# Altium PCB PCB.PcbDoc
Units mil, origin at the board's own origin, x right, y up, seen from the top; angles counter-clockwise.
Board outline 2110 x 2700 mil, 2 copper layers (Top Layer, Bottom Layer); 67 components, 61 nets, 335 pads, 240 vias.
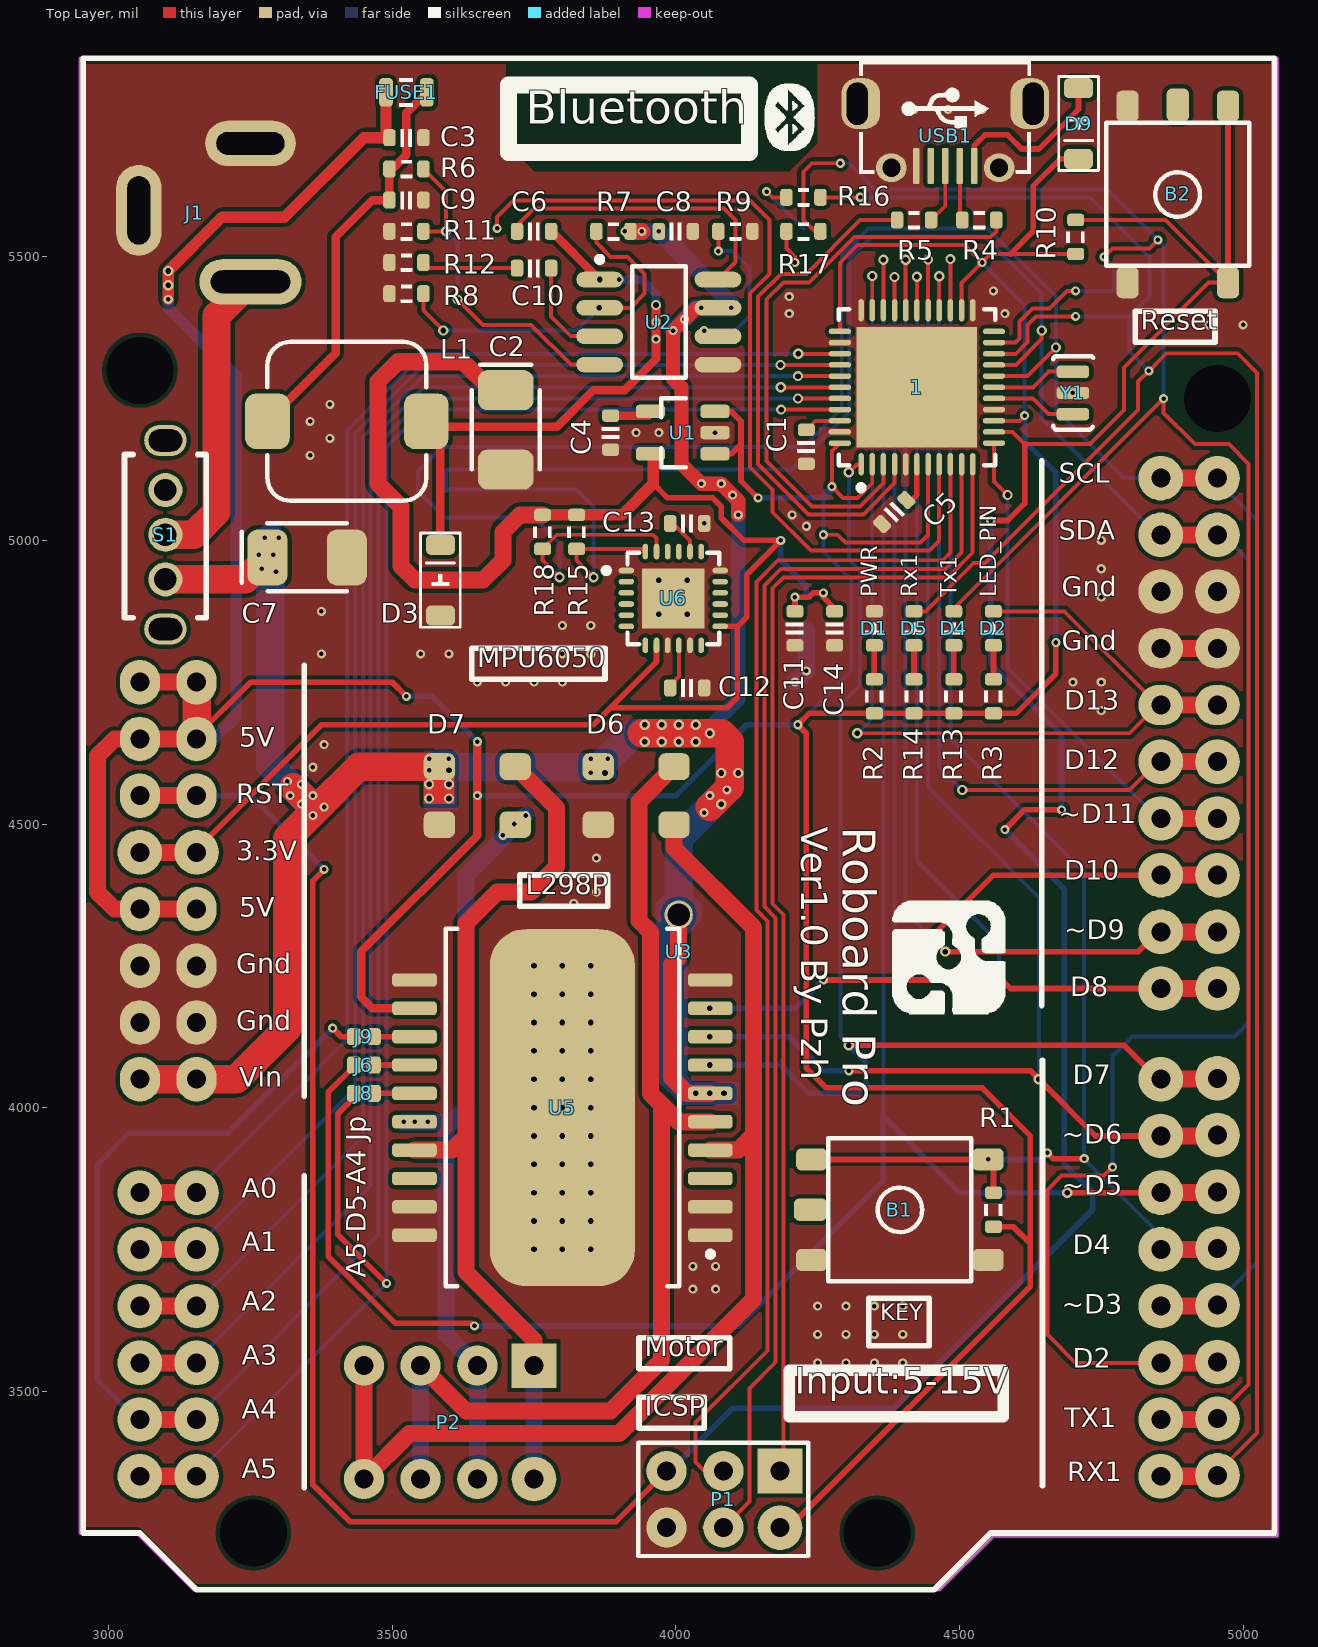
[diagram p0: Top Layer view]
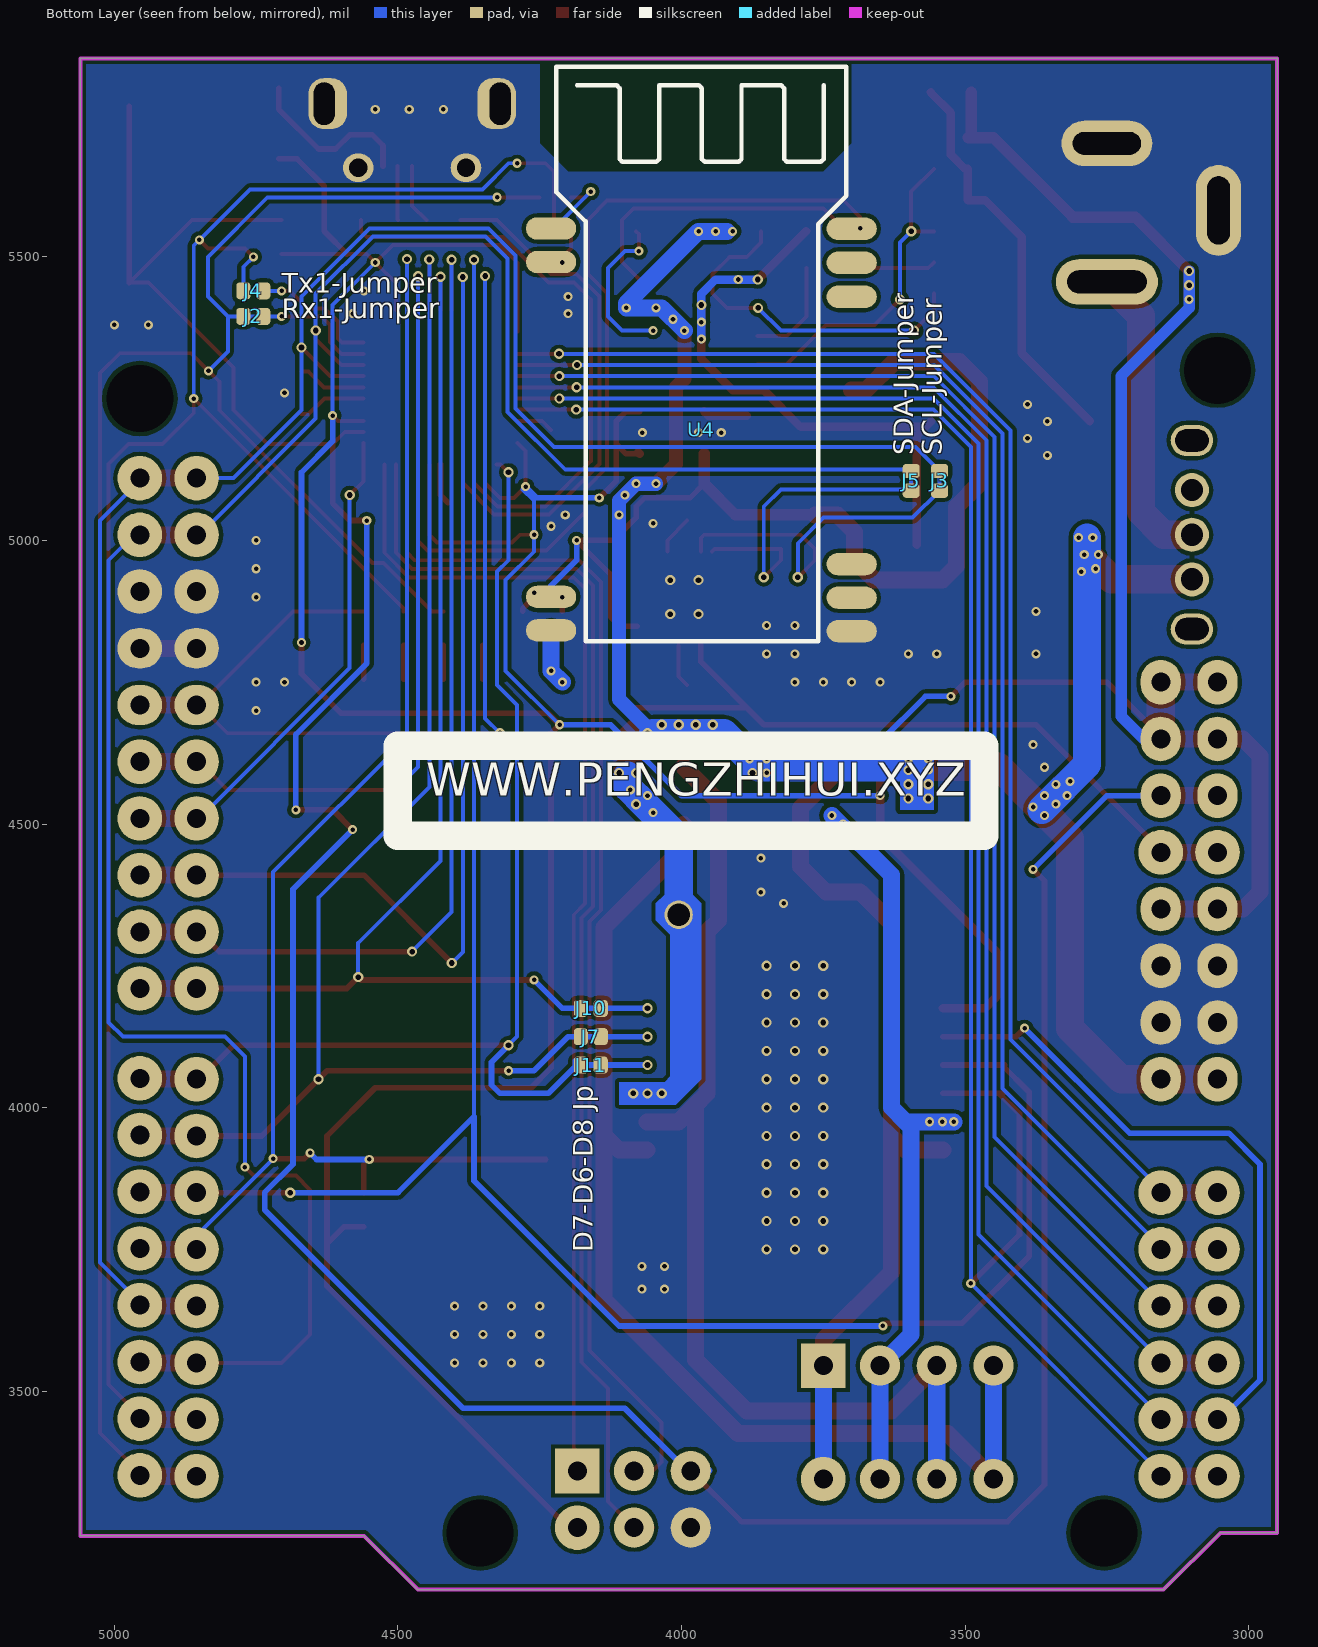
[diagram p1: Bottom Layer view, seen from below]

## Layer stack, top to bottom
Top Solder: solder mask 0.4, Solder Resist, Dk 3.5
Top Layer: signal copper 1.4
Dielectric 1: dielectric 12.6, FR-4, Dk 4.8
Bottom Layer: signal copper 1.4
Bottom Solder: solder mask 0.4, Solder Resist, Dk 3.5

## Board outline
2950,3250 3050,3250 3150,3150 4465,3150 4560,3245 5060,3245 5060,5850 2950,5850

## Design rules (kind name [scope] priority, off if disabled: settings)
Clearance [All] p1: gap=7
ComponentClearance [All] p1: gap=0 collisioncheckmode=3 verticalgap=0 showdistances=FALSE
HoleSize [All] p1: absolutevalues=TRUE maxlimit=10000 minlimit=1 maxpercent=80.000 minpercent=20.000
MinimumSolderMaskSliver [All] p1: minsoldermaskwidth=1
PolygonConnect [All] p1: connectstyle=Direct reliefconductorwidth=10 reliefentries=4 polygonreliefangle="90 Angle" airgapwidth=10
RoutingVias [All] p1: holewidth=28 width=50 viastyle="Through Hole" minholewidth=28 minwidth=50 maxholewidth=28 maxwidth=50
SilkToSilkClearance [All] p1: silktosilkclearance=0
SilkToSolderMaskClearance [IsPad] p1: minsilkscreentomaskgap=0 clearancetoexposedcopper=TRUE
SolderMaskExpansion [All] p1: expansion=4
UnpouredPolygon [All] p1: allowunpoured=FALSE
Width [All] p1: maxlimit=10000 minlimit=7 preferedwidth=10
24 further rules are at their usual default settings.

## Components (designator, comment, footprint, x,y, rotation, side; value= is the part's Value field where it differs from the comment)
1 "ATmega32U4" QFN-44 4425,5270 r90 top
B1 "BUTTON" BUTTON 4395,3820 r180 top
B2 "BUTTON" BUTTON 4885,5610 r90 top
C1 "0.1uF" 0603-CAP 4230,5165 r270 top
C2 "电容 3528" 3528-CAP 3700,5195 r270 top
C3 "10uF" 0603-CAP 3525,5710 r180 top
C4 "10nF" 0603-CAP 3885,5190 r90 top
C5 "0.1uF" 0603-CAP 4385,5050 r45 top
C6 "电容-0603" 0603-CAP 3750,5545 r0 top
C7 "电容 3528" 3528-CAP 3350,4970 r0 top
C8 "电容-0603" 0603-CAP 4000,5545 r180 top
C9 "电容-0603" 0603-CAP 3525,5600 r0 top
C10 "电容-0603" 0603-CAP 3750,5480 r0 top
C11 "0.01uF" 0603-CAP 4210,4845 r90 top
C12 "0.1uF" 0603-CAP 4020,4740 r180 top
C13 "2.2nF" 0603-CAP 4020,5030 r0 top
C14 "0.1uF" 0603-CAP 4280,4845 r90 top
D1 "LED-0603" 0603-LED-BLUE 4350,4845 r90 top
D2 "LED-0603" 0603-LED-BLUE 4560,4845 r90 top
D3 "二极管-5819W" SOD-123 3585,4930 r90 top
D4 "LED-0603" 0603-LED-BLUE 4490,4845 r90 top
D5 "LED-0603" 0603-LED-BLUE 4420,4845 r90 top
D6 "LX10M" LX10M 3930,4550 r0 top
D7 "LX10M" LX10M 3650,4550 r0 top
D9 "二极管-5819W" SOD-123 4710,5735 r270 top
FUSE1 "Res_0805" RES_0805 3525,5790 r0 top
J1 "PowerJack_2.5" KLD_0202 3250,5995.28 r270 top
J2 "JUMPER" JUMPER 4755,5395 r0 bottom
J3 "JUMPER" JUMPER 3545,5105 r90 bottom
J4 "JUMPER" JUMPER 4755,5440 r180 bottom
J5 "JUMPER" JUMPER 3595,5105 r90 bottom
J6 "JUMPER" JUMPER 3450,4075 r0 top
J7 "JUMPER" JUMPER 4160,4125 r180 bottom
J8 "JUMPER" JUMPER 3450,4025 r0 top
J9 "JUMPER" JUMPER 3450,4125 r0 top
J10 "JUMPER" JUMPER 4160,4175 r180 bottom
J11 "JUMPER" JUMPER 4160,4075 r180 bottom
L1 "10uH" L-SMD-7 3420,5210 r180 top
P1 "HDR2x3" HDR2X3 4085,3310 r180 top
P2 "HDR1*4_SPRING" HDR_SPRING 3650,3445 r180 top
R1 "4.7K" 0603-RES 4560,3820 r270 top
R2 "500R" 0603-RES 4350,4725 r90 top
R3 "500R" 0603-RES 4560,4725 r90 top
R4 "22R" 0603-RES 4535,5565 r0 top
R5 "22R" 0603-RES 4420,5565 r180 top
R6 "100K" 0603-RES 3525,5655 r0 top
R7 "100K" 0603-RES 3890,5545 r0 top
R8 "100K" 0603-RES 3525,5435 r0 top
R9 "100K" 0603-RES 4105,5545 r180 top
R10 "4.7K" 0603-RES 4705,5535 r270 top
R11 "100K" 0603-RES 3525,5545 r0 top
R12 "100K" 0603-RES 3525,5490 r0 top
R13 "500R" 0603-RES 4490,4725 r90 top
R14 "500R" 0603-RES 4420,4725 r90 top
R15 "10K" 0603-RES 3825,5015 r90 top
R16 "500R" 0603-RES 4225,5605 r180 top
R17 "500R" 0603-RES 4225,5545 r180 top
R18 "10K" 0603-RES 3765,5015 r90 top
S1 "SwitchSPDT_4.3x8.6_D90" SwitchSPDT_4.3X8.6_D90 3100,5088.74 r270 top
U1 "LP2992" SOT23-5 4010,5190 r180 top
U2 "MP1584" SO-8 3970,5385 r0 top
U3 "Arduino Roboard" "Arduino UNO-2" 2955,5850 r0 top
U4 "HC-06" 蓝牙模块HC-06 4220,4774.57 r180 bottom
U5 "L298P" POWERSO20 3800,4000 r90 top
U6 "MPU6050" QFN-24 3995.47,4897.68 r0 top
USB1 "USB-Micro" USB_Micro-AB 4475,5760 r0 top
Y1 "16MHz" 晶振-3P 4700,5260 r270 top

## Footprints (in the part's own frame and the unit in brackets; to place one, negate y for a bottom-side part, rotate by r counter-clockwise, add the part's x,y. Pads: shape width x height; smd on the part's side, far side on the other; paste and mask are expansions set on the pad)
0603-CAP [mil]
  rrect50% 22x30 smd: 1(-30,0) 2(30,0)
  silkscreen extent -10,-15 10,15, body extent -31,-16 32,16, height 31
0603-LED-BLUE [mil]
  rrect50% 22x30 smd: 1(-30,0) 2(30,0)
  silkscreen extent -10,-16 10,16, body extent -32,-16 32,16, height 24
0603-RES [mil]
  rrect50% 22x30 smd: 1(-30,0) 2(30,0)
  silkscreen extent -10,-16 10,16, body extent -31,-16 31,16, height 18
3528-CAP [mm] "钽电容"
  rrect50% 1.8x2.5 smd: 1(-1.778,0) 2(1.778,0)
  silkscreen extent -2.92,-1.52 1.78,1.52, body extent -1.91,-1.4 1.91,1.4, height 1.1
"Arduino UNO-2" [mm]
  round 0 hole 3: 0(2.54,-13.97) 0(7.62,-66.04) 0(35.56,-66.04) 0(50.8,-15.24)
  oval 1.8x2 hole 0.85: 1(2.54,-27.94) 1(5.08,-27.94) 2(2.54,-30.48) 2(5.08,-30.48) 3(2.54,-33.02) 3(5.08,-33.02) 5(2.54,-38.1) 5(5.08,-38.1) 6(2.54,-40.64) 6(5.08,-40.64) 7(2.54,-43.18) 7(5.08,-43.18) 8(2.54,-45.72) 8(5.08,-45.72)
  round 2 hole 0.85: 4(2.54,-35.56) 4(5.08,-35.56) 9(2.54,-50.8) 9(5.08,-50.8) 10(2.54,-53.34) 10(5.08,-53.34) 11(2.54,-55.88) 11(5.08,-55.88) 12(2.54,-58.42) 12(5.08,-58.42) 13(2.54,-60.96) 13(5.08,-60.96) 14(2.54,-63.5) 14(5.08,-63.5) 15(48.26,-63.5) 15(50.8,-63.46) 16(48.26,-60.96) 16(50.8,-60.92) 17(48.26,-58.42) 17(50.8,-58.38) 18(48.26,-55.88) 18(50.8,-55.84) 19(48.26,-53.34) 19(50.8,-53.3) 20(48.26,-50.8) 20(50.8,-50.76) 21(48.26,-48.26) 21(50.8,-48.22) 22(48.26,-45.72) 22(50.8,-45.68) 23(48.26,-41.66) 23(50.8,-41.66) 24(48.26,-39.12) 24(50.8,-39.12) 25(48.26,-36.58) 25(50.8,-36.58) 26(48.26,-34.04) 26(50.8,-34.04) 27(48.26,-31.5) 27(50.8,-31.5) 30(48.26,-23.88) 30(50.8,-23.88) 31(48.26,-21.34) 31(50.8,-21.34) 32(48.26,-18.8) 32(50.8,-18.8)
  oval 2x1.8 hole 0.85: 28(48.26,-28.96) 28(50.8,-28.96) 29(48.26,-26.42) 29(50.8,-26.42)
  silkscreen extent 0,-68.58 53.34,0
BUTTON [mm]
  rrect50% 1.5x1 smd: 0(4,0)
  rrect50% 1.4x1 smd: 1(-3.95,2.25) 1(3.95,2.25) 2(-3.95,-2.25) 2(3.95,-2.25)
  silkscreen extent -3.2,-3.2 3.2,3.2, body extent -2.6,-2.6 2.6,2.6, height 2.5
HDR2X3 [mm] "Connector; Header; 3x2 Position"
  rect 2x2 hole 0.85: 1(-2.508,-1.254)
  round 2 hole 0.85: 2(-2.508,1.286)
  round 1.8 hole 0.85: 3(0.032,-1.254) 4(0.032,1.286) 5(2.572,-1.254) 6(2.572,1.286)
  silkscreen extent -3.78,-2.52 3.84,2.56, body extent -3.78,-2.52 3.84,2.56, height 8.54
HDR_SPRING [mm]
  round 2 hole 0.85: 1(-2.54,2.54)
  rect 2x2 hole 0.85: 1(-2.54,-2.54)
  round 1.8 hole 0.85: 2(0,2.54) 2(0,-2.54) 3(2.54,2.54) 3(2.54,-2.54) 4(5.08,-2.54) 4(5.08,2.54)
  body extent -6.18,-4.82 6.52,8.99, height 12.08
JUMPER [mil]
  rrect50% 25x30 smd: 1(-17.5,0) 2(17.5,0)
KLD_0202 [mil]
  oval 80x180 hole 40 slot 140 at 90 deg: 1(539.37,0)
  oval 80x160 hole 40 slot 120 at 90 deg: 2(295.28,0)
  oval 160x80 hole 40 slot 120 at 0 deg: 3(413.39,-196.85)
  body extent -9,-213 562,173, height 433
L-SMD-7 [mm] "贴片电感7*7"
  rrect50% 2x2.5 smd: 1(-3.556,0) 2(3.556,0)
  silkscreen extent -3.56,-3.56 3.56,3.56, body extent -3.68,-3.65 3.68,3.65, height 2.83
LX10M [mm]
  rrect50% 1.4x1.2 smd: 1(-1.7,1.3) 2(-1.7,-1.3) 3(1.7,-1.3) 4(1.7,1.3)
  body extent -2,-1.75 2,1.75, height 1
POWERSO20 [mm] "Small Outline; 20 Leads; Body Width 11 mm; Pitch 1.27 mm"
  rrect50% 0.6x2 smd: 1(-5.715,-6.625) 2(-4.445,-6.625) 3(-3.175,-6.625) 4(-1.905,-6.625) 5(-0.635,-6.625) 6(0.635,-6.625) 7(1.905,-6.625) 8(3.175,-6.625) 9(4.445,-6.625) 10(5.715,-6.625) 11(5.715,6.625) 12(4.445,6.625) 13(3.175,6.625) 14(1.905,6.625) 15(0.635,6.625) 16(-0.635,6.625) 17(-1.905,6.625) 18(-3.175,6.625) 19(-4.445,6.625) 20(-5.715,6.625)
  rrect50% 16x6.5 smd: 21(0,0)
  silkscreen extent -8,-6.75 8,5.22, body extent -8.02,-6.64 7.98,6.64, height 3.5
QFN-24 [mm] "QFN, 24-Leads, Body 4.1x4.1mm (max), Pitch 0.50mm, IPC Low Density"
  oval 0.7x0.25 smd: 1(-2.1,1.25) 2(-2.1,0.75) 3(-2.1,0.25) 4(-2.1,-0.25) 5(-2.1,-0.75) 6(-2.1,-1.25) 13(2.1,-1.25) 14(2.1,-0.75) 15(2.1,-0.25) 16(2.1,0.25) 17(2.1,0.75) 18(2.1,1.25)
  oval 0.25x0.7 smd: 7(-1.25,-2.1) 8(-0.75,-2.1) 9(-0.25,-2.1) 10(0.25,-2.1) 11(0.75,-2.1) 12(1.25,-2.1) 19(1.25,2.1) 20(0.75,2.1) 21(0.25,2.1) 22(-0.25,2.1) 23(-0.75,2.1) 24(-1.25,2.1)
  rect 2.8x2.7 smd: ""(0,0)
  silkscreen extent -3.12,-2.05 2.05,2.05, body extent -2.02,-2.02 2.02,2.02, height 0.95
QFN-44 [mm] "QFN, 44-Leads, Body 7.0x7.0mm (max), Pitch 0.50mm, IPC Low Density"
  oval 1x0.25 smd: 1(-3.45,2.5) 2(-3.45,2) 3(-3.45,1.5) 4(-3.45,1) 5(-3.45,0.5) 6(-3.45,0) 7(-3.45,-0.5) 8(-3.45,-1) 9(-3.45,-1.5) 10(-3.45,-2) 11(-3.45,-2.5) 23(3.45,-2.5) 24(3.45,-2) 25(3.45,-1.5) 26(3.45,-1) 27(3.45,-0.5) 28(3.45,0) 29(3.45,0.5) 30(3.45,1) 31(3.45,1.5) 32(3.45,2) 33(3.45,2.5)
  oval 0.25x1 smd: 12(-2.5,-3.45) 13(-2,-3.45) 14(-1.5,-3.45) 15(-1,-3.45) 16(-0.5,-3.45) 17(0,-3.45) 18(0.5,-3.45) 19(1,-3.45) 20(1.5,-3.45) 21(2,-3.45) 22(2.5,-3.45) 34(2.5,3.45) 35(2,3.45) 36(1.5,3.45) 37(1,3.45) 38(0.5,3.45) 39(0,3.45) 40(-0.5,3.45) 41(-1,3.45) 42(-1.5,3.45) 43(-2,3.45) 44(-2.5,3.45)
  rect 5.4x5.4 smd paste+0: ""(0,0)
  silkscreen extent -4.62,-3.5 3.5,3.5, body extent -4,-4 4,4, height 0.9
RES_0805 [mil]
  rrect50% 24x50 smd: 1(-36,0) 2(36,0)
  silkscreen extent -12,-24 12,24, body extent -39,-25 39,25, height 24
SO-8 [mm]
  oval 2.1x0.7 smd: 1(-2.65,1.905) 2(-2.65,0.635) 3(-2.65,-0.635) 4(-2.65,-1.905) 5(2.65,-1.905) 6(2.65,-0.635) 7(2.65,0.635) 8(2.65,1.905)
  silkscreen extent -2.77,-2.5 1.2,2.93, body extent -3,-2.43 2.99,2.47, height 1.6
SOD-123 [mm]
  rrect50% 0.9x1.3 smd: 1(-1.583,0) 2(1.583,0)
  silkscreen extent -2.11,-0.89 2.11,0.89, body extent -1.92,-0.86 1.93,0.84, height 1.48
SOT23-5 [mm] "SOT23, 3-Leads, Body 3.1x3.0mm (max), Pitch 0.95mm, IPC Medium Density"
  rrect50% 1.3x0.6 smd: 1(-1.5,0.95) 2(-1.5,0) 3(-1.5,-0.95) 4(1.396,-0.95) 5(1.396,0.95)
  silkscreen extent -0.2,-1.55 0.9,1.55, body extent -1.48,-1.45 1.32,1.45, height 1.2
SwitchSPDT_4.3X8.6_D90 [mil]
  oval 55x75 hole 39.37 slot 59.06 at 90 deg: 0(-87.68,0) 0(245.16,0)
  round 60 hole 39.37: 1(0,0) 2(78.74,0) 3(157.48,0)
  silkscreen extent -63,-72 225,72, body extent -91,-246 248,84, height 190
USB_Micro-AB [mil]
  rrect80% 68x90 hole 37 slot 75 at 90 deg copper offset 6,0 mask+0: 0(-155,10)
  oval 54x50 hole 32 mask+0: 0(-95,-103) 0(95,-103)
  rrect80% 68x90 hole 37 slot 75 at 90 deg copper offset -6,0 mask+0: 0(155,10)
  rrect50% 12x64 smd: 1(51.18,-100) 2(25.59,-100) 3(0,-100) 4(-25.59,-100) 5(-51.18,-100)
  silkscreen extent -150,-113 150,86, body extent -161,-109 161,104, height 108
晶振-3P [mm] "贴片晶振"
  rrect50% 0.55x1.45 smd: 1(-0.95,0) 2(0,0) 3(0.95,0)
  silkscreen extent -1.65,-0.89 1.65,0.91, body extent -1.75,-0.75 1.75,0.75, height 0.3
蓝牙模块HC-06 [mil]
  oval 88.74x39.37 smd: 1(-10,775.43) 2(-10,716.38) 12(-10,125.83) 13(-10,66.77) 22(520,65.43) 23(520,124.49) 24(520,183.54) 32(520,655.04) 33(520,715) 34(520,775)
  silkscreen extent -1,48 511,1061, body extent -1,19 511,1081, height 163

## Part data
1: "MCU"
C1 C3 C4 C5 C11 C12 C13 C14: library part 电容-0603, "Capacitor"
C2 C7: "极性电解电容"
C6 C8 C9 C10: "Capacitor"
D1 D2 D4 D5: "LED"
D3 D9: "40V"
FUSE1: "Resistor"
J1: "DC Power Jack"
L1: library part 电感-0805, "磁珠"
R1 R2 R3 R4 R5 R6 R7 R8 R9 R10 R11 R12 R13 R14 R15 R16 R17 R18: library part 电阻-0603, "Resistor"
S1: "Switch"
U1: "LDO"
U2: "电源芯片"
U4: library part HM01_02_09_1, "HM bluetooth module HM-01,HM-02,HM-09"
U5: "Dual Full Bridge Driver"
U6: "六轴传感器"
USB1: "USB"
Y1: library part 晶振-3Pin, "村田贴片"

## Free pads (board coordinates)
  round 50 hole 40: 2(4005,4340)

## Via types
v1: diameter 16, hole 8, Top Layer to Bottom Layer, tented both sides, 143 vias
v2: diameter 18, hole 10, Top Layer to Bottom Layer, tented both sides, 97 vias

## Nets (pads, with @x,y where several pads share a name; then routed paths per layer and width w, separated by ;. In a path a pad name is that pad's centre, name@x,y a point inside that pad or via, vN(x,y) a via of type N, cw(c..) or ccw(c..) an arc to the next point about the centre after c; other vN are vias at no path point)
3V3: C2.1 C11.2 C14.2 R15.2 R18.2 U1.5 U3.4 U4.12 U6.8 U6.13 | length 3421.2
  Top Layer w10: U3.4@3150,4450 3375,4675 3855,4675 ; 3960.06,5100.06 3985.11,5075 4065,5075 4080,5060 4080,5040 4120,5000 v1(4185,5000) 4125,4940 4125,4865 4108.46,4848.46 ; U6.8 3965.94,4785.94 3855,4675 ; U6.13 4108.46,4848.46 ; C11.2 v1(4210,4900) 4235,4900 4242.65,4907.65 v1(4260,4907.65) 4260,4900 4280,4880 C14.2 ; 3855,4675 3885,4705 4090,4705 4108.46,4723.46 4108.46,4848.46
  Top Layer w20: R18.2 R15.2 3905,5045 3960.06,5100.06 U1.5@3960.06,5152.6
  Top Layer w30: U3.4@3050,4450 U3.4@3150,4450 ; C2.1 3675,5265 3625,5315 3510,5315 3475,5280 3475,5100 3515,5060 3515,4955 3540,4930 3660,4930 3695,4965 3695,5015 3725,5045 R18.2
  Bottom Layer w10: v1(4185,5000) 4185,4965 4230,4920 U4.12
5V: 1.2 1.7 1.14 1.24 1.34 1.44 C3.2 D9.2 FUSE1.1 P1.2 R1.2 R2.1 R3.1 R10.2 R13.1 R14.1 U1.1 U1.3 U3.1 U3.2 U3.5 U5.12 | length 9864.7
  Top Layer w7: v1(4260,5010) 4285,5010 4299,4996 4431,4996 4444.69,5009.69 1.7 ; 1.44 4275,5157.4 v1(4275,5095) 4295,5075 4320,5075 4346.26,5101.26 1.2 ; 1.34 4289.17,5489.58 4320.6,5521 4509,5521 v1(4540,5490) ; 1.24 4503.74,5453.74 v1(4540,5490) ; 1.14 4605.94,5210.94 v1(4615,5220) ; R10.2 4590,5505 4555,5505 v1(4540,5490)
  Top Layer w10: U3.2@3155,4650 3155,4655 3250,4750 3500,4750 v1(3525,4725) ; U1.1@4074.06,5152.6 4097.6,5152.6 4115,5170 ; U1.3@4074.06,5227.4 4097.6,5227.4 4115,5210 4115,5170 ; v1(4145,5075) 4115,5105 4115,5170 ; P1.2@4150,3260 4200,3260 4625,3685 4625,3760 ; R1.2 4595,3790 4625,3760 ; 4590,5505 4630,5545 4630,5625 4677.66,5672.66 D9.2 ; v1(4670,4820) 4670,4765 4600,4695 R3.1 R13.1 R14.1 R2.1 4235,4695 v1(4215,4675) 4230,4660 4230,4070 4265,4035 4540,4035 4625,3950 4625,3760
  Top Layer w15: U5.12 3465,4175 3445,4195 3445,4275 3650,4480 v1(3650,4645) ; U1.1@4074.06,5152.6 U1.1@4076.46,5155
  Top Layer w20: v1(3105,5425) v2(3105,5475) 3200,5570 3310,5570 3450,5710 C3.2 ; C3.2@3489,5716 FUSE1.1
  Top Layer w30: U3.1@3055,4750 U3.1@3155,4750 ; U3.5@3150,4350 3010,4350 2980,4380 2980,4620 3010,4650 3055,4650 U3.2@3155,4650
  Top Layer w50: U3.2@3155,4655 U3.1@3155,4750
  Bottom Layer w7: v1(4215,4675) 4310,4770 4310,4930 4260,4980 v1(4260,5010) 4260,5070 4280,5090 v1(4275,5095) ; v1(4540,5490) 4615,5415 v1(4615,5220)
  Bottom Layer w10: v1(3525,4725) 3570,4725 v1(3650,4645) ; v1(3650,4550) 4000,4550 4125,4675 v1(4215,4675) ; v1(4145,5075) 4255,5075 v1(4275,5095) ; v1(4615,5220) 4615,5175 4670,5120 v1(4670,4820)
  Bottom Layer w20: v2(3105,5475) v1(3105,5425) 3105,5410 3225,5290 3225,4690 3185,4650 3155,4650 U3.2@3150,4650
  other v2: 3105,5450
A0: 1.36 U3.9 | length 2480.9
  Top Layer w7: v2(4215.94,5329.06) 1.36
  Top Layer w30: U3.9@3050,3850 U3.9@3150,3850
  Bottom Layer w7: U3.9@3150,3850 3420,4120 3420,5193.99 3555.06,5329.06 v2(4215.94,5329.06)
A1: 1.37 U3.10 | length 2561.2
  Top Layer w7: v2(4184.37,5309.37) 1.37
  Top Layer w30: U3.10@3050,3750 U3.10@3150,3750
  Bottom Layer w7: U3.10@3150,3750 3434,4034 3434,5188.2 3555.17,5309.37 v2(4184.37,5309.37)
A2: 1.38 U3.11 | length 2641.4
  Top Layer w7: v2(4215.31,5289.69) 1.38
  Top Layer w30: U3.11@3050,3650 U3.11@3150,3650
  Bottom Layer w7: U3.11@3150,3650 3448,3948 3448,5182.4 3555.29,5289.69 v2(4215.31,5289.69)
A3: 1.39 U3.12 | length 2721.7
  Top Layer w7: v2(4185,5270) 1.39
  Top Layer w30: U3.12@3050,3550 U3.12@3150,3550
  Bottom Layer w7: U3.12@3150,3550 3462,3862 3462,5176.6 3555.4,5270 v2(4185,5270)
A4: 1.40 J9.1 J9.2 U3.13 U5.13 | length 3945.7
  Top Layer w7: v2(4215.31,5250.31) 1.40
  Top Layer w10: v1(3395,4140) 3410,4125 J9.1 J9.2 U5.13
  Top Layer w30: U3.13@3050,3450 U3.13@3150,3450
  Bottom Layer w7: U3.13@3150,3450 3476,3776 3476,5170.8 3555.52,5250.31 v2(4215.31,5250.31)
  Bottom Layer w10: U3.13@3050,3450 2980,3520 2980,3900 3035,3955 3210,3955 v1(3395,4140)
A5: 1.41 J8.1 J8.2 U3.14 U5.15 | length 3374.4
  Top Layer w7: v2(4185.63,5230.63) 1.41
  Top Layer w10: J8.1 J8.1@3440,4025 ; v1(3490,3690) 3404,3776 3404,3989 J8.1@3440,4025 ; U5.15 J8.2 J8.1@3440,4025
  Top Layer w30: U3.14@3050,3350 U3.14@3150,3350
  Bottom Layer w7: U3.14@3150,3350 v1(3490,3690) 3490,5165 3555.63,5230.63 v2(4185.63,5230.63)
AREF: 1.42 C1.1 | length 65.8
  Top Layer w7: C1.1 4245.94,5210.94 1.42
BT_CNT: U4.32
BT_Rx: 1.21 D4.2 J4.1 J4.2 R17.1 U3.16 | length 4080.6
  Top Layer w7: R17.1@4250,5545 4245,5545 4225,5565 4225,5650 4240,5665 v1(4290,5665) ; D4.2 4490,4880 v1(4860,5250) 4860,5225 4915,5170 4975,5170 5010,5135 5010,3511.57 4950,3451.57 U3.16@4948.43,3450 ; 1.21 4598.74,5348.74 4606,5356 4606,5385.8 4629.2,5409 4659,5409 4690,5440 v1(4705,5440) ; v1(4755,5500) 4770,5515 4835,5515 v1(4850,5530)
  Top Layer w30: U3.16@4850,3450 U3.16@4948.43,3450
  Bottom Layer w7: v1(4290,5665) 4305,5665 4351,5619 4761,5619 v1(4850,5530) 4860,5520 v1(4860,5250) ; v1(4705,5440) J4.2 J4.1 4772.5,5482.5 v1(4755,5500)
BT_SET: 1.8 U4.34 | length 1536.2
  Top Layer w7: v1(3685,5550) 3685,5570 3714,5599 4131,5599 4165,5565 4165,5469.8 4131,5435.8 4131,5129 4170,5090 4170,5050 4238,4982 4447.6,4982 4464.37,4998.77 1.8
BT_Tx: 1.20 D5.2 J2.1 J2.2 R16.1 U3.15 | length 4054.7
  Top Layer w7: R16.1@4250,5605 v1(4325,5605) ; D5.2 4440,4875 4525.2,4960.2 4545.2,4960.2 4815,5230 4815,5280 v1(4834,5299) 4865,5330 4990,5330 5025,5295 5025,3426.57 U3.15@4948.43,3350 ; 1.20 4599.26,5329.06 4620,5349.8 4620,5380 4635,5395 v1(4705,5395)
  Top Layer w30: U3.15@4850,3350 U3.15@4948.43,3350
  Bottom Layer w7: v1(4325,5605) 4730,5605 4835,5500 4835,5430 4800,5395 ; v1(4705,5395) J2.1 J2.2 4800,5395 ; v1(4834,5299) 4800,5333 4800,5395
D2: 1.19 J5.1 J5.2 R15.1 U3.17 U3.31 U6.24 | length 4815.7
  Top Layer w7: v2(3855,4935) 3825,4965 R15.1 3941.61,4985 U6.24 ; 1.19 4599.37,5309.37 4645,5355 v2(4645,5370) ; v1(4770,3895) 4755,3880 4680,3880 4655,3855 4655,3600 4705,3550 U3.17@4850,3550
  Top Layer w30: U3.17@4850,3550 U3.17@4948.43,3550 ; U3.31@4850,5009.84 U3.31@4950,5009.84
  Bottom Layer w7: J5.1 J5.2 ; J5.1@3597.5,5090 3825,5090 3855,5060 v2(3855,4935) ; J5.2@3597.5,5125 4205,5125 4306.5,5226.5 4306.5,5496.7 4345.8,5536 4544,5536 4645,5435 v2(4645,5370) 4645,5214.84 U3.31@4850,5009.84 ; v1(4770,3895) 4770,4090 4805,4125 4985,4125 5010,4150 5010,4965 4965.16,5009.84 U3.31@4950,5009.84
D3: 1.18 J3.1 J3.2 R18.1 U3.18 U3.32 U6.23 | length 4471.8
  Top Layer w7: v2(3795,4935) 3765,4965 R18.1 3790,5010 3960,5010 3965.94,5004.06 U6.23 ; 1.18 4619.69,5289.69 v2(4670,5340)
  Top Layer w30: U3.18@4850,3650 U3.18@4948.43,3650 ; U3.32@4850,5109.84 U3.32@4950,5109.84
  Bottom Layer w7: v2(3795,4935) 3795,4995 3750,5040 3592.5,5040 J3.1 J3.2 3587.5,5165 4225.2,5165 4292.5,5232.3 4292.5,5502.5 4340,5550 4549.8,5550 4670,5429.8 v2(4670,5340) 4670,5230 4790.16,5109.84 U3.32@4850,5109.84 ; U3.18@4950,3651.57 5025,3726.57 5025,5034.84 U3.32@4950,5109.84
D4: 1.25 B1.2 R1.1 U3.19 | length 2624.9
  Top Layer w7: 1.25 v2(4484.06,5495.94)
  Top Layer w10: B1.2@4239.49,3908.58 v1(4550.51,3908.58) ; R1.1 B1.2@4560,3899.09 ; v1(4655,3920) 4665,3910 v1(4720,3910)
  Top Layer w30: U3.19@4850,3750 U3.19@4948.43,3750
  Bottom Layer w7: v2(4484.06,5495.94) 4484.06,4650.94 4720,4415 4720,3909.47 4829.34,3800.13 4829.87,3800.13 4850,3780 U3.19@4850,3750
  Bottom Layer w10: v1(4550.51,3908.58) 4643.58,3908.58 v1(4655,3920)
D5: 1.31 J6.1 J6.2 U3.20 U5.14 | length 3950
  Top Layer w7: 1.31 v2(4365.94,5495)
  Top Layer w10: J6.1@3430,4075 J6.1@3435,4075 ; J6.1 J6.1@3435,4075 ; U5.14 J6.2 J6.1@3435,4075 ; v1(3645,3615) 3640,3620 3505,3620 3387,3738 3387,4027 J6.1@3435,4075 ; v2(4690,3850) U3.20@4850,3850
  Top Layer w30: U3.20@4850,3850 U3.20@4948.43,3850
  Bottom Layer w7: 4365.94,3984.06 v2(4365.94,5495)
  Bottom Layer w10: v1(3645,3615) 4110,3615 4365.94,3870.94 4365.94,3984.06 ; 4370,3980 4500,3850 v2(4690,3850)
D6: 1.27 J7.1 J7.2 U3.21 U5.8 | length 2576.6
  Top Layer w7: 1.27 v2(4444.69,5495.31)
  Top Layer w10: v1(4305,4065) 4625,4065 v2(4640,4050) 4740,3950 U3.21@4850,3950
  Top Layer w30: U3.21@4850,3950 U3.21@4948.43,3950
  Bottom Layer w7: v2(4444.69,5495.31) 4444.69,4565.31 4640,4370 v2(4640,4050)
  Bottom Layer w10: v2(4060,4125) J7.2 J7.1 4200,4125 4260,4065 v1(4305,4065)
D7: 1.1 J11.1 J11.2 U3.22 U5.7 | length 2118
  Top Layer w7: v2(4305,5120) 4319.17,5134.17 1.1
  Top Layer w10: v2(4305,4110) 4790,4110 U3.22@4850,4050
  Top Layer w30: U3.22@4850,4050 U3.22@4948.43,4050
  Bottom Layer w7: v2(4305,4110) 4290,4125 4290,4710 4325,4745 4325,4945 4305,4965 v2(4305,5120)
  Bottom Layer w10: v2(4060,4075) J11.2 J11.1 ; J11.1@4187.5,4082.5 4187.5,4072.5 4235,4025 4320,4025 4335,4040 4335,4080 v2(4305,4110)
D8: 1.28 J10.1 J10.2 U3.23 U5.9 | length 2275.4
  Top Layer w7: 1.28 v2(4425,5465)
  Top Layer w10: v1(4260,4225) 4565,4225 v2(4570,4230) 4590.16,4209.84 U3.23@4850,4209.84
  Top Layer w30: U3.23@4850,4209.84 U3.23@4950,4209.84
  Bottom Layer w7: v2(4425,5465) 4425,4435 4570,4290 v2(4570,4230)
  Bottom Layer w10: v2(4060,4175) J10.2 J10.1 4210,4175 v1(4260,4225)
D9: 1.29 U3.24 | length 1826.8
  Top Layer w7: 1.29 v2(4405.31,5494.69)
  Top Layer w10: v2(4475,4275) 4815.16,4275 U3.24@4850,4309.84
  Top Layer w30: U3.24@4850,4309.84 U3.24@4950,4309.84
  Bottom Layer w7: v2(4405.31,5494.69) 4405.31,4344.69 v2(4475,4275)
D10: 1.30 U3.25 | length 1885.1
  Top Layer w7: 1.30 v2(4385.63,5464.37)
  Top Layer w10: v2(4405,4255) 4559.84,4409.84 U3.25@4850,4409.84
  Top Layer w30: U3.25@4850,4409.84 U3.25@4950,4409.84
  Bottom Layer w7: v2(4385.63,5464.37) 4385.63,4274.37 v2(4405,4255)
D11: 1.12 U3.26 | length 881.5
  Top Layer w7: 1.12 4560.83,5104.17 v2(4585,5080)
  Top Layer w30: U3.26@4850,4509.84 U3.26@4950,4509.84
  Bottom Layer w7: v2(4585,5080) 4585,4774.84 U3.26@4850,4509.84
D12: 1.26 U3.27 | length 1447.9
  Top Layer w7: 1.26 v2(4464.37,5465.63) ; v2(4505,4560) 4800.16,4560 U3.27@4850,4609.84
  Top Layer w30: U3.27@4850,4609.84 U3.27@4950,4609.84
  Bottom Layer w7: v2(4464.37,5465.63) 4464.37,4600.63 v2(4505,4560)
D13: 1.32 D2.2 U3.28 | length 1886.6
  Top Layer w7: v2(4320,4660) 4800.16,4660 4850,4709.84 4684.84,4875 D2.2 ; 1.32 v2(4346.26,5466.26)
  Top Layer w30: U3.28@4850,4709.84 U3.28@4950,4709.84
  Bottom Layer w7: v2(4320,4660) 4346.26,4686.26 v2(4346.26,5466.26)
D14: 1.11 P1.1 | length 2115.4
  Top Layer w7: P1.1@4150,3360 4190,3400 4190,4340 4170,4360 4170,4915 4190,4935 4480.2,4935 4523.43,4978.22 1.11
D15: 1.9 P1.3 | length 2153
  Top Layer w7: P1.3@4050,3360 4035,3375 4035,3445 4162,3572 4162,4328.4 4142,4348.4 4142,4926.6 4180.4,4965 4470.6,4965 4484.06,4978.45 1.9
D16: 1.10 P1.4 | length 2268.8
  Top Layer w7: P1.4@4050,3260 4084.37,3260 4130,3305.63 4130,3505 4176,3551 4176,4334.2 4156,4354.2 4156,4920.8 4185.2,4950 4475.4,4950 4503.74,4978.34 1.10
GND: 1. 1.5 1.15 1.23 1.33 1.35 1.43 B1.1 B2.1 C1.2 C2.2 C3.1 C4.1 C5.1 C7.2 C8.1 C9.2 C11.1 C12.1 C13.2 C14.1 D1.2 D3.1 D6.2 D7.2 J1.2 J1.3 P1.6 R8.1 R9.1 R11.1 R12.1 U1.2 U2.5 U3.6 U3.7 U3.29 U3.30 U4.13 U4.22 U5.1 U5.2 U5.10 U5.11 U5.19 U5.20 U5.21 U6. U6.1 U6.9 U6.11 U6.18 USB1.0 USB1.5 Y1.2 | length 199.6
  Top Layer w30: U3.29@4850,4809.84 U3.29@4950,4809.84
  Bottom Layer w30: v1(4210,4750) v1(4230,4770) U4.13
  other v1: 4250,3550 4300,3550 4350,3550 4400,3550 4250,3600 4300,3600 4350,3600 4400,3600 4250,3650 4300,3650 4350,3650 4400,3650 4030,3680 4070,3680 4030,3720 4070,3720 3820,4360 3860,4380 3860,4440 3360,4600 3380,4640 4750,4700 3650,4750 3700,4750 3750,4750 3800,4750 4700,4750 4750,4750 3375,4800 3550,4800 3600,4800 3800,4800 3850,4800 3800,4850 3850,4850 3375,4875 4750,4900 4750,4950 4750,5000 4230,5025 4050,5030 4205,5045 3355,5150 3390,5180 3930,5190 3970,5190 4069.06,5190 3355,5210 3390,5240 4700,5260 4940,5380 5000,5380 4200,5400 4580,5400 4200,5430 4560,5440 4420,5760 4480,5760 4540,5760
  other v2: 3750,3750 3800,3750 3850,3750 3750,3800 3800,3800 3850,3800 3750,3850 3800,3850 3850,3850 3750,3900 3800,3900 3850,3900 3750,3950 3800,3950 3850,3950 3750,4000 3800,4000 3850,4000 3750,4050 3800,4050 3850,4050 3750,4100 3800,4100 3850,4100 3750,4150 3800,4150 3850,4150 3750,4200 3800,4200 3850,4200 3750,4250 3800,4250 3850,4250 3970,4870 4020,4870 3970,4930 4020,4930
Net1_3: 1.3 R4.2 | length 1049.1
  Top Layer w7: 1.3 4365.94,5101.15 4324.8,5060 4239.8,5060 4160,5139.8 4160,5425.2 4189.8,5455 4234.8,5455 4314.8,5535 4555,5535 4565,5545 R4.2
Net1_4: 1.4 R5.2 | length 929.3
  Top Layer w7: 1.4 4385.63,5101.03 4330.6,5046 4234,5046 4145,5135 4145,5430 4185,5470 4230,5470 4325,5565 R5.2
Net1_6: 1.6 C5.2 | length 73.7
  Top Layer w10: C5.2@4411.21,5066.21 4425,5080 1.6
Net1_16: 1.16 Y1.3 | length 120.7
  Top Layer w7: 1.16 4629.69,5250.31 4657.4,5222.6 4670,5222.6
Net1_17: 1.17 Y1.1 | length 120.5
  Top Layer w7: 1.17 4630,5270 4657.4,5297.4 4670,5297.4
NetC4_2: C4.2 U1.4 | length 78.1
  Top Layer w15: C4.2 3952.65,5220 U1.4@3960.06,5227.4
NetC6_1: C6.1 U2.8 | length 533.4
  Top Layer w7: C6.1 3720,5555 3750,5585 4085,5585 4105,5565 4105,5490.67 U2.8
NetC6_2: C6.2 D3.2 L1.1 U2.1 | length 1078.3
  Top Layer w15: L1.1 L1.1@3570,5200 ; D3.2 3585,5185 L1.1@3570,5200 ; C6.2 3780.67,5545 v2(3865.67,5460) ; v2(3965,5415) 3965,5320 3910,5265 3855,5265 3790,5200 L1.1@3570,5200
  Bottom Layer w15: v2(3865.67,5460) 3940,5460 3965,5435 v2(3965,5415) v1(3965,5355)
  other v1: 3965,5385 3900,5460
NetC9_1: C9.1 FUSE1.2 L1.2 R6.1 | length 716.9
  Top Layer w15: L1.2 3400,5330 3400,5535 3465,5600 C9.1 R6.1 3500,5655 3525,5680 3525,5754 FUSE1.2
NetC10_1: C10.1 R12.2 | length 169.1
  Top Layer w7: R12.2 3565,5480 C10.1
NetC10_2: C10.2 U2.3 | length 185.2
  Top Layer w7: C10.2 3780,5395 3815,5360 U2.3
NetC12_2: C12.2 U6.10 | length 76.3
  Top Layer w7: C12.2@3990,4745 4005.32,4760.32 U6.10
NetC13_1: C13.1 U6.20 | length 69.1
  Top Layer w7: C13.1@3990,5035 4025,5000 U6.20
NetD1_1: D1.1 R2.2 | length 60
  Top Layer w10: R2.2 D1.1
NetD2_1: D2.1 R3.2 | length 60
  Top Layer w10: R3.2 D2.1
NetD4_1: D4.1 R13.2 | length 60
  Top Layer w10: R13.2 D4.1
NetD5_1: D5.1 R14.2 | length 60
  Top Layer w10: R14.2 D5.1
NetD6_3: D6.3 P2.4 U5.4 | length 2199.4
  Top Layer w30: P2.4@3450,3545 3450,3345 3530,3425 3900,3425 4136.5,3661.5 4136.5,3951.5 ; D6.3 3996.93,4457.41 4136.5,4317.84 4136.5,3951.5 ; U5.4 4110,3925 4136.5,3951.5
  Bottom Layer w30: P2.4@3450,3345 P2.4@3450,3545
NetD6_4: D6.4 P2.3 U5.5 | length 1882.1
  Top Layer w30: P2.3@3550,3545 3630,3465 3885,3465 3975,3555 3975,4005 ; D6.4 3935,4539.25 3935,4330 3955,4310 3955,4025 3975,4005 ; U5.5 4005,3975 3975,4005
  Bottom Layer w30: P2.3@3550,3345 P2.3@3550,3545
NetD7_3: D7.3 P2.2 U5.16 | length 1371.1
  Bottom Layer w30: v1(3520,3975) v1(3540,3975) v1(3562.5,3975) 3605,3975 3630,4000 ; P2.2@3650,3345 3650,3545 3595,3600 3595,3965 3630,4000 ; v1(3735,4515) 3630,4410 3630,4000
  other v1: 3695,4480 3715,4500
NetD7_4: D7.4 P2.1 U5.17 | length 1538.8
  Top Layer w30: U5.17 3605,3925 3630,3950 ; D7.4 3790,4528.11 3790,4425 3745,4380 3685,4380 3630,4325 3630,3950 ; P2.1@3750,3545 3750,3590 3630,3710 3630,3950
  Bottom Layer w30: P2.1@3750,3345 P2.1@3750,3545
NetD9_1: D9.1 USB1.1 | length 304.5
  Top Layer w10: USB1.1 4526.18,5696.18 4545,5715 4585,5715 4610,5690 4640,5690 4710,5760 D9.1
NetJ1_1: J1.1 S1.2 | length 537.3
  Top Layer w50: S1.2 3150,5010 3190,5050 3190,5395.91 J1.1
NetR4_1: R4.1 USB1.2 | length 95.2
  Top Layer w7: R4.1@4500,5565 4500.59,5565.59 USB1.2
NetR5_1: R5.1 USB1.3 | length 105.4
  Top Layer w7: R5.1 4475,5590 USB1.3
NetR6_2: R6.2 R11.2 U2.4 | length 593.2
  Top Layer w7: R11.2 v2(3595,5545) 3595,5615 R6.2 ; v2(3615,5425) 3660,5380 3745,5380 3815,5310 U2.4
  Bottom Layer w7: v2(3595,5545) 3615,5525 v2(3615,5425)
NetR7_1: R7.1 R8.2 U2.2 | length 623.5
  Top Layer w7: R8.2 3555,5405 v2(3590,5370) ; R7.1 3860,5525 3885,5500 3915,5500 3945,5470 3945,5435 3920,5410 U2.2
  Bottom Layer w7: v2(3590,5370) 3825,5370 v2(3865,5410)
NetR9_2: R9.2 U2.6 | length 279.9
  Top Layer w7: v1(4075,5510) 4075,5540 R9.2@4080,5545
  Bottom Layer w7: v1(4050,5370) 4105,5370 4130,5395 4130,5480 4100,5510 v1(4075,5510)
NetR16_2: R16.2 U4.1 | length 131.1
  Top Layer w7: v1(4160,5615) 4170,5605 R16.2
  Bottom Layer w7: v1(4160,5615) U4.1@4225,5550
NetR17_2: R17.2 U4.2 | length 61.2
  Top Layer w7: R17.2 4195,5515 4210,5500 v1(4210,5490)
P_RST: 1.13 B2.2 P1.5 R10.1 U3.3 | length 5937
  Top Layer w7: 1.13 4593.74,5191.26 4615,5170 4730,5170 4790,5230 4790,5305 4939.49,5454.49 4973.58,5454.49 4863.07,5565 R10.1
  Top Layer w10: v1(3380,4420) 3360,4400 3360,3335 3425,3270 3894.37,3270 P1.5 ; v1(4555,5035) 4585,5035 4615,5065 4615,5170 ; v1(4580,4490) 4615,4525 v1(4680,4525) ; B2.2@4973.58,5454.49 B2.2@4973.58,5765.51
  Top Layer w30: U3.3@3050,4550 U3.3@3150,4550
  Bottom Layer w10: U3.3@3150,4550 3250,4550 v1(3380,4420) ; P1.5@3950,3360 3990,3360 4100,3470 4385,3470 4735,3820 4735,3850 4685,3900 4685,4385 v1(4580,4490) ; v1(4555,5035) 4555,4782.92 4680,4657.92 v1(4680,4525)
VIN: C7.1 C8.2 D6.1 D7.1 pad.2 R7.2 S1.3 U2.7 U3.8 U5.6 | length 4524
  Top Layer w25: U2.7 v1(4045,5410) 4035,5410 v1(3995,5370) 3995,5285 4010,5270 4010,5135 v1(4045,5100) v1(4080,5100) 4110,5070 v1(4110,5045)
  Top Layer w30: R7.2 v1(3940,5545) ; pad.2 4005,4265 3992,4252 3992,4053 4020,4025 U5.6
  Top Layer w50: U3.8@3050,4050 3225,4050 3315,4140 3315,4475 3365,4525 ; S1.3 3241.26,4931.26 C7.1 ; 3325,4565 3365,4525 ; D7.1@3565,4601.18 3441.18,4601.18 3365,4525 ; 3940,4660 4080,4660 4095,4645 4095,4565 v1(4090,4560) 4060,4530
  Bottom Layer w25: v1@3855,4610 v1@3875,4610 ; v1(4045,5100) v1(4080,5100) 4110,5070 4110,4720 4050,4660
  Bottom Layer w30: 3920,5545 v1(3970,5545) 4097.43,5417.57 v1(4097.43,5410) v1(4045,5410) 4035,5410 v1(3995,5370) ; v1(4090,4560) v1@4095,4565
  Bottom Layer w50: 3285,5005 3285,4605 3365,4525 ; v2@3600,4600 3865,4600 3925,4660 4050,4660 ; pad.2 4005,4475 v1(4050,4520) 4070,4540 v1(4090,4560) ; v1@4095,4565 4095,4585
  other v1: 3360,4515 3380,4530 3340,4535 3320,4550 3360,4550 4060,4550 3340,4570 3315,4575 3850,4590 3565,4595 3565,4615 3600,4615 3850,4615 3880,4615 3295,4945 3270,4950 3265,4975 3290,4975 3275,5005 3300,5005 4100,5080 4015,5390 3910,5545
  other v2: 4035,4025 4060,4025 4085,4025 4080,4535 3565,4545 3600,4545 3565,4570 3600,4570 3875,4590 4080,4590 4110,4590 3600,4595 3945,4645 3975,4645 4005,4645 4035,4645 4060,4660 3945,4675 3975,4675 4005,4675 4035,4675
pads on no net: 1.22 B1.0 B2.0 S1.0 S1.1 U3.0 U4.23 U4.24 U4.33 U5.3 U5.18 U6.2 U6.3 U6.4 U6.5 U6.6 U6.7 U6.12 U6.14 U6.15 U6.16 U6.17 U6.19 U6.21 U6.22 USB1.4

## Polygon pours and split planes (outlines as drawn)
GND on Bottom Layer "Bottom Layer-No Net" (solid, remove dead copper, pour order 18): 2750,6000 3700,6000 3700,5700 3750,5650 4200,5650 4250,5700 4250,6000 5250,6000 5250,3000 2750,3000
GND on Top Layer "Bottom Layer-No Net" (solid, remove dead copper, pour order 14): 2750,6000 3700,6000 3700,5700 3750,5650 4150,5650 4200,5650 4250,5700 4250,6000 5250,6000 5250,3000 2750,3000

## Keep-outs
Keep-Out Layer:
  the board outline again, w7

## Other copper
Top Layer:
  rectangle net VIN: 3555,4535 3610,4615
Bottom Layer:
  rectangle net VIN: 3830,4580 3895,4625
  rectangle net VIN: 3555,4525 3615,4630
  region net VIN: 3980,4375 3965,4360 3965,4050 4010,4005 4110,4005 4110,4045 4030,4045 4020,4055 4020,4065 4020,4305 4045,4330 4045,4360 4030,4375

## Silkscreen, mask and mechanical layers (free items; w line width, h text height)
Top Overlay:
  drawing of 808 lines, arcs and shapes, not listed
  text "Bluetooth" at 3735,5715 h100
  text "Reset" at 4820,5360 h60
  text "PWR" at 4365,4900 h50 r90
  text "Rx1" at 4435,4900 h50 r90
  text "Tx1" at 4505,4900 h50 r90
  text "LED_PIN" at 4575,4900 h50 r90
  text "Gnd" at 4680,4890 h59.05
  text "MPU6050" at 3650,4765 h60
  text "Ver1.0 By Pzh" at 4205,4495 h80 r270
  text "Roboard Pro" at 4275,4495 h100 r270
  text "L298P" at 3735,4365 h60
  text "A5-D5-A4 Jp" at 3465,3700 h60 r90
  text "KEY" at 4360,3615 h50
  text "Motor" at 3945,3550 h60
  text "Input:5-15V" at 4210,3480 h80
  text "ICSP" at 3945,3445 h60
Bottom Overlay:
  lines w50: 3465.84,4479.07 4500.09,4479.07 4500.09,4638.18 3465.84,4638.18 3465.84,4479.07
  text "Tx1-Jumper" at 4705,5425 h60
  text "Rx1-Jumper" at 4705,5380 h60
  text "SCL-Jumper" at 3530,5150 h60 r270
  text "SDA-Jumper" at 3580,5150 h60 r270
  text "WWW.PENGZHIHUI.XYZ" at 4450,4530 h100
  text "D7-D6-D8 Jp" at 4145,3745 h60 r270
Top Solder:
  lines w30: 3435,4025 3460,4025 ; 3435,4075 3470,4075 ; 3435,4125 3460,4125
Bottom Solder:
  rectangle: 3725,3725 3880,4275
  lines w30: 4145,4075 4170,4075 ; 4145,4125 4175,4125 ; 4150,4175 4165,4175 ; 4740,5395 4770,5395 ; 4740,5440 4770,5440
  lines w50: 3725,3725 3725,4275 3880,4275 3880,3725 3725,3725

## Text inside footprints (layer, text, board x,y; h text height)
U3: Top Overlay "5V" at 3230,4625 h59.06; Top Overlay "Gnd" at 4680,4795 h59.06; Top Overlay "D13" at 4685,4690 h59.06; Top Overlay "D12" at 4685,4585 h59.06; Top Overlay "~D11" at 4675,4490 h59.06; Top Overlay "D10" at 4685,4390 h59.06; Top Overlay "~D9" at 4685,4285 h59.06; Top Overlay "D8" at 4695,4185 h59.06; Top Overlay "D7" at 4700,4030 h59.06; Top Overlay "~D6" at 4680,3925 h59.06; Top Overlay "~D5" at 4680,3835 h59.06; Top Overlay "D4" at 4700,3730 h59.06; Top Overlay "~D3" at 4680,3625 h59.06; Top Overlay "D2" at 4700,3530 h59.06; Top Overlay "RX1" at 4690,3330 h59.06; Top Overlay "TX1" at 4685,3425 h59.06; Top Overlay "A5" at 3235,3335 h59.06; Top Overlay "A4" at 3235,3440 h59.06; Top Overlay "A3" at 3235,3535 h59.06; Top Overlay "A2" at 3235,3630 h59.06; Top Overlay "A1" at 3235,3735 h59.06; Top Overlay "A0" at 3235,3830 h59.06; Top Overlay "Vin" at 3230,4025 h59.06; Top Overlay "Gnd" at 3225,4125 h59.06; Top Overlay "Gnd" at 3225,4225 h59.06; Top Overlay "5V" at 3230,4325 h59.06; Top Overlay "3.3V" at 3225,4425 h59.06; Top Overlay "RST" at 3225,4525 h59.06; Top Overlay "SCL" at 4675,5090 h59.06; Top Overlay "SDA" at 4675,4990 h59.06